# Altium PCB RelayTester.PcbDoc (part 1 of 2)
Units mm, origin at the board's own origin, x right, y up, seen from the top; angles counter-clockwise.
Board outline 86 x 93 mm, 2 copper layers (Top Layer, Bottom Layer); 234 components, 174 nets, 831 pads, 189 vias.
Unrouted connection lines stored in the file: 4.
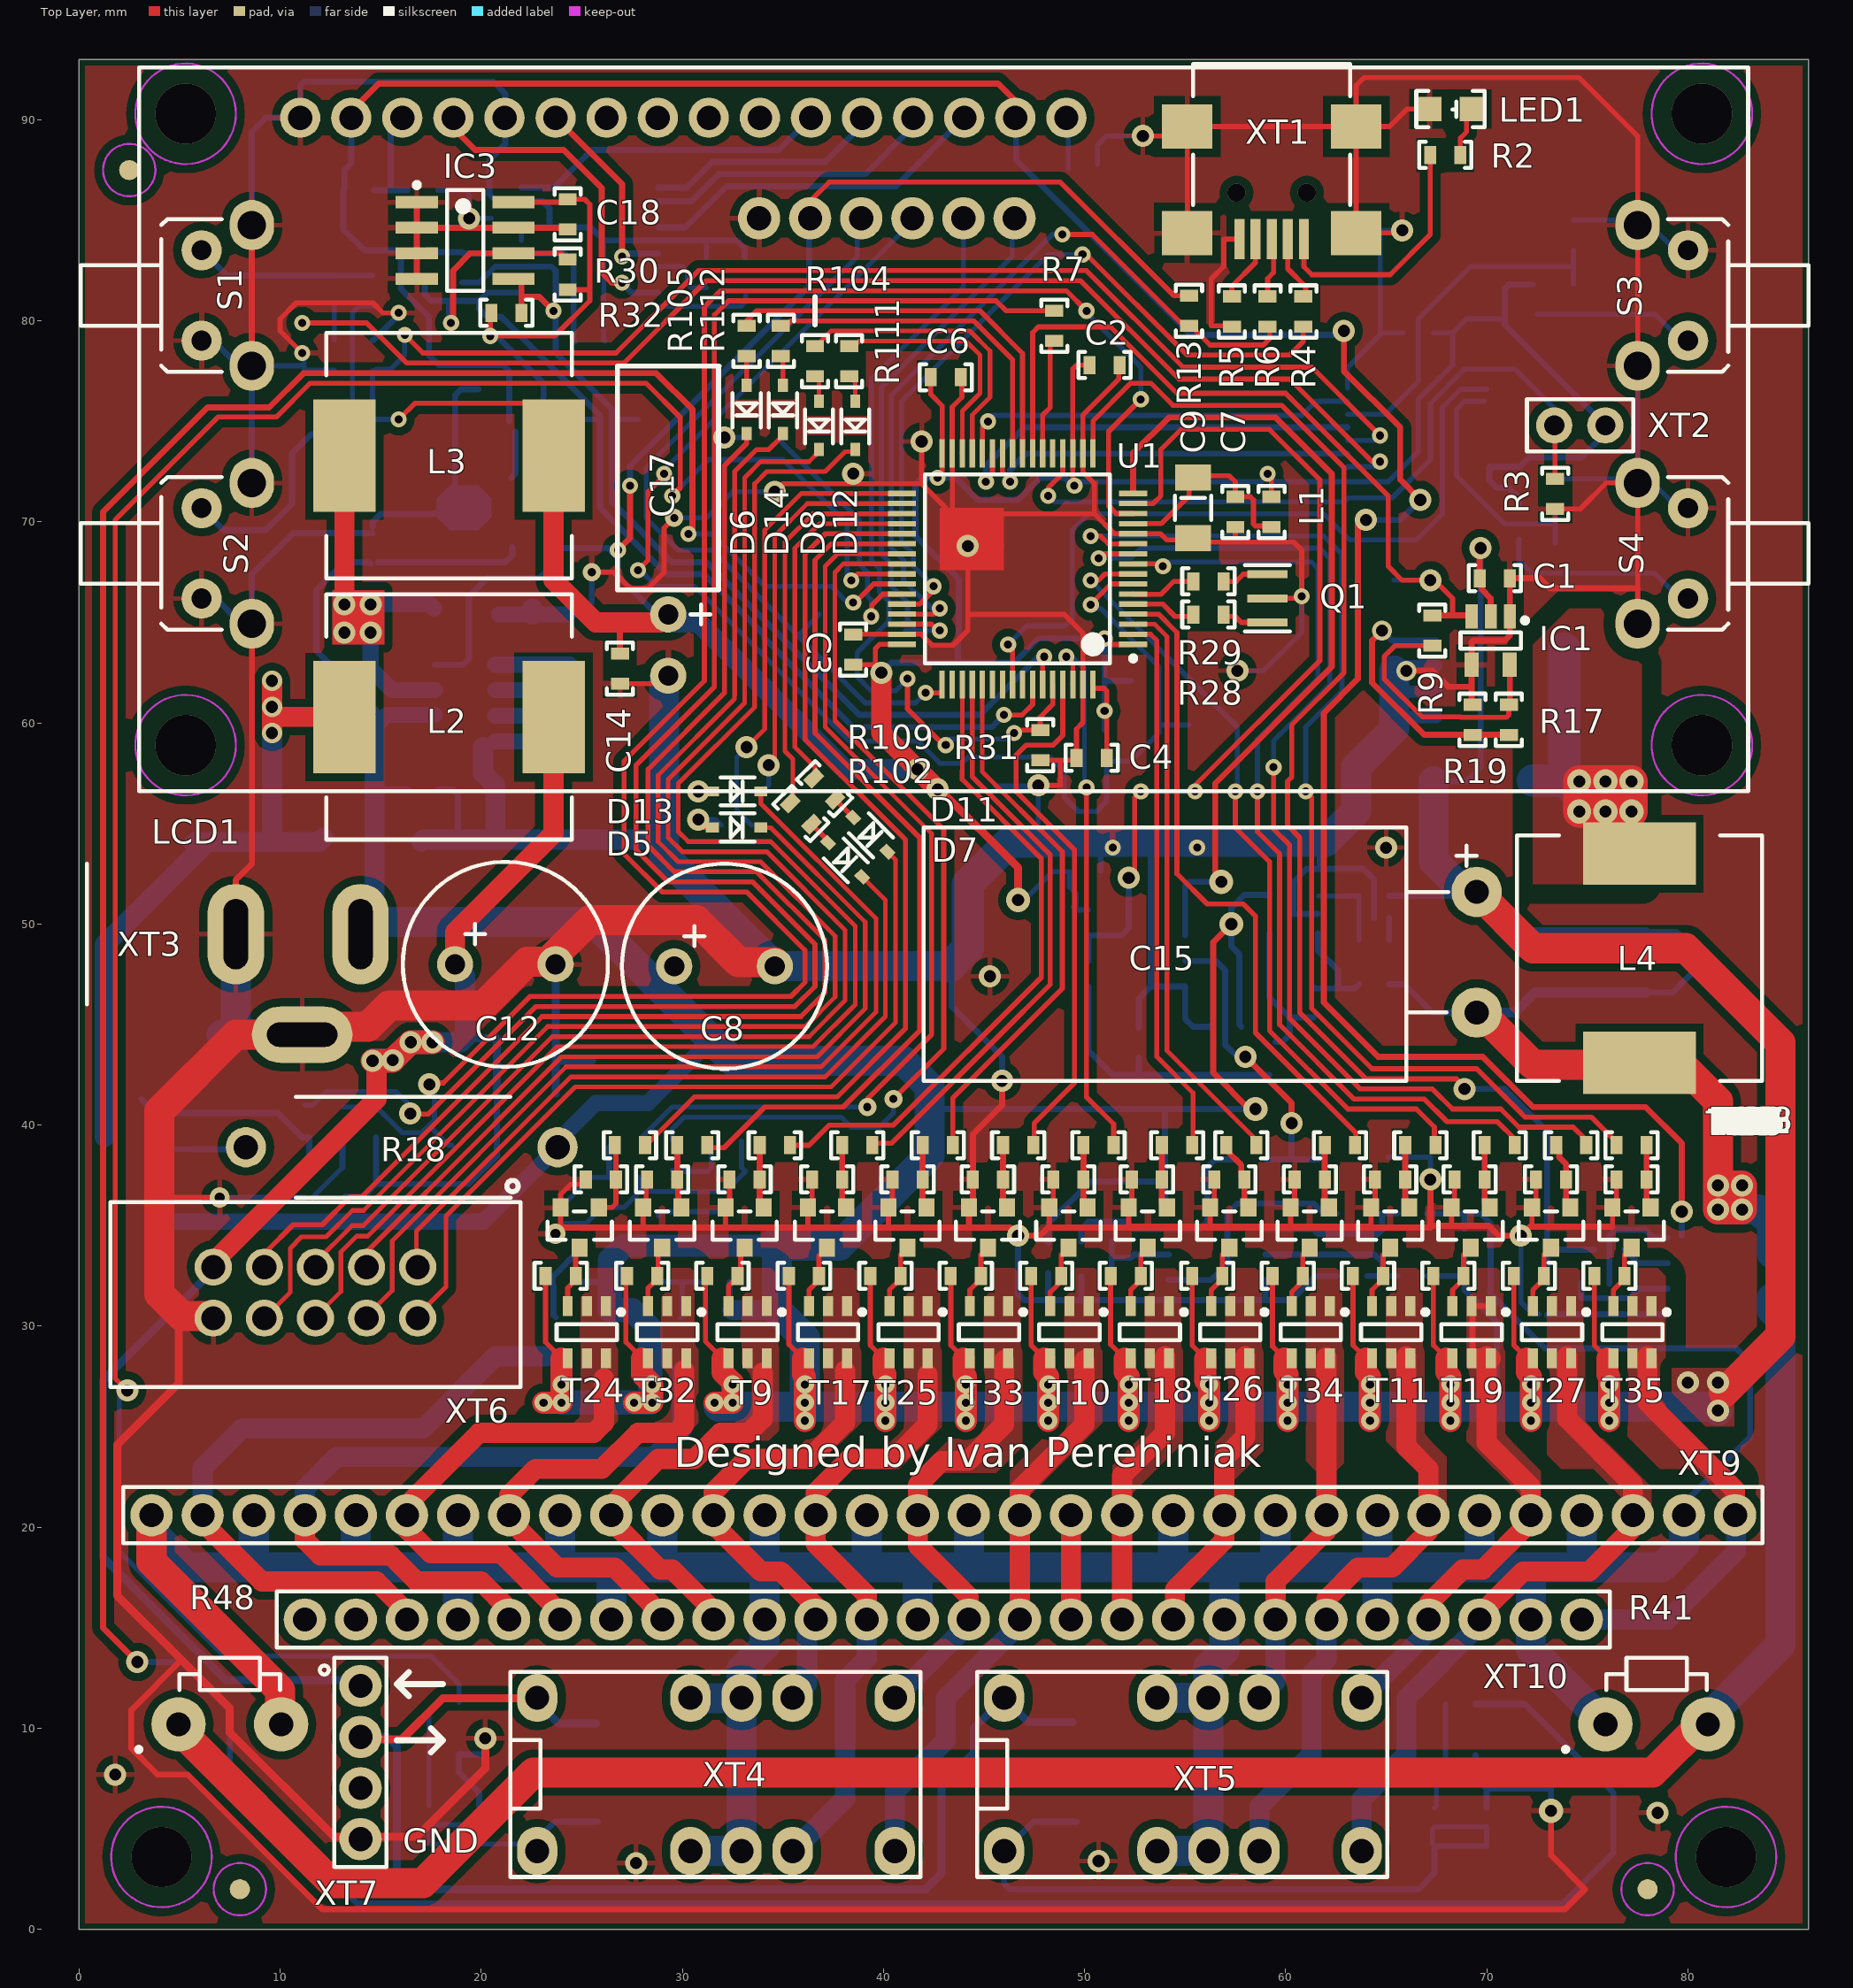
[diagram p0: Top Layer view]
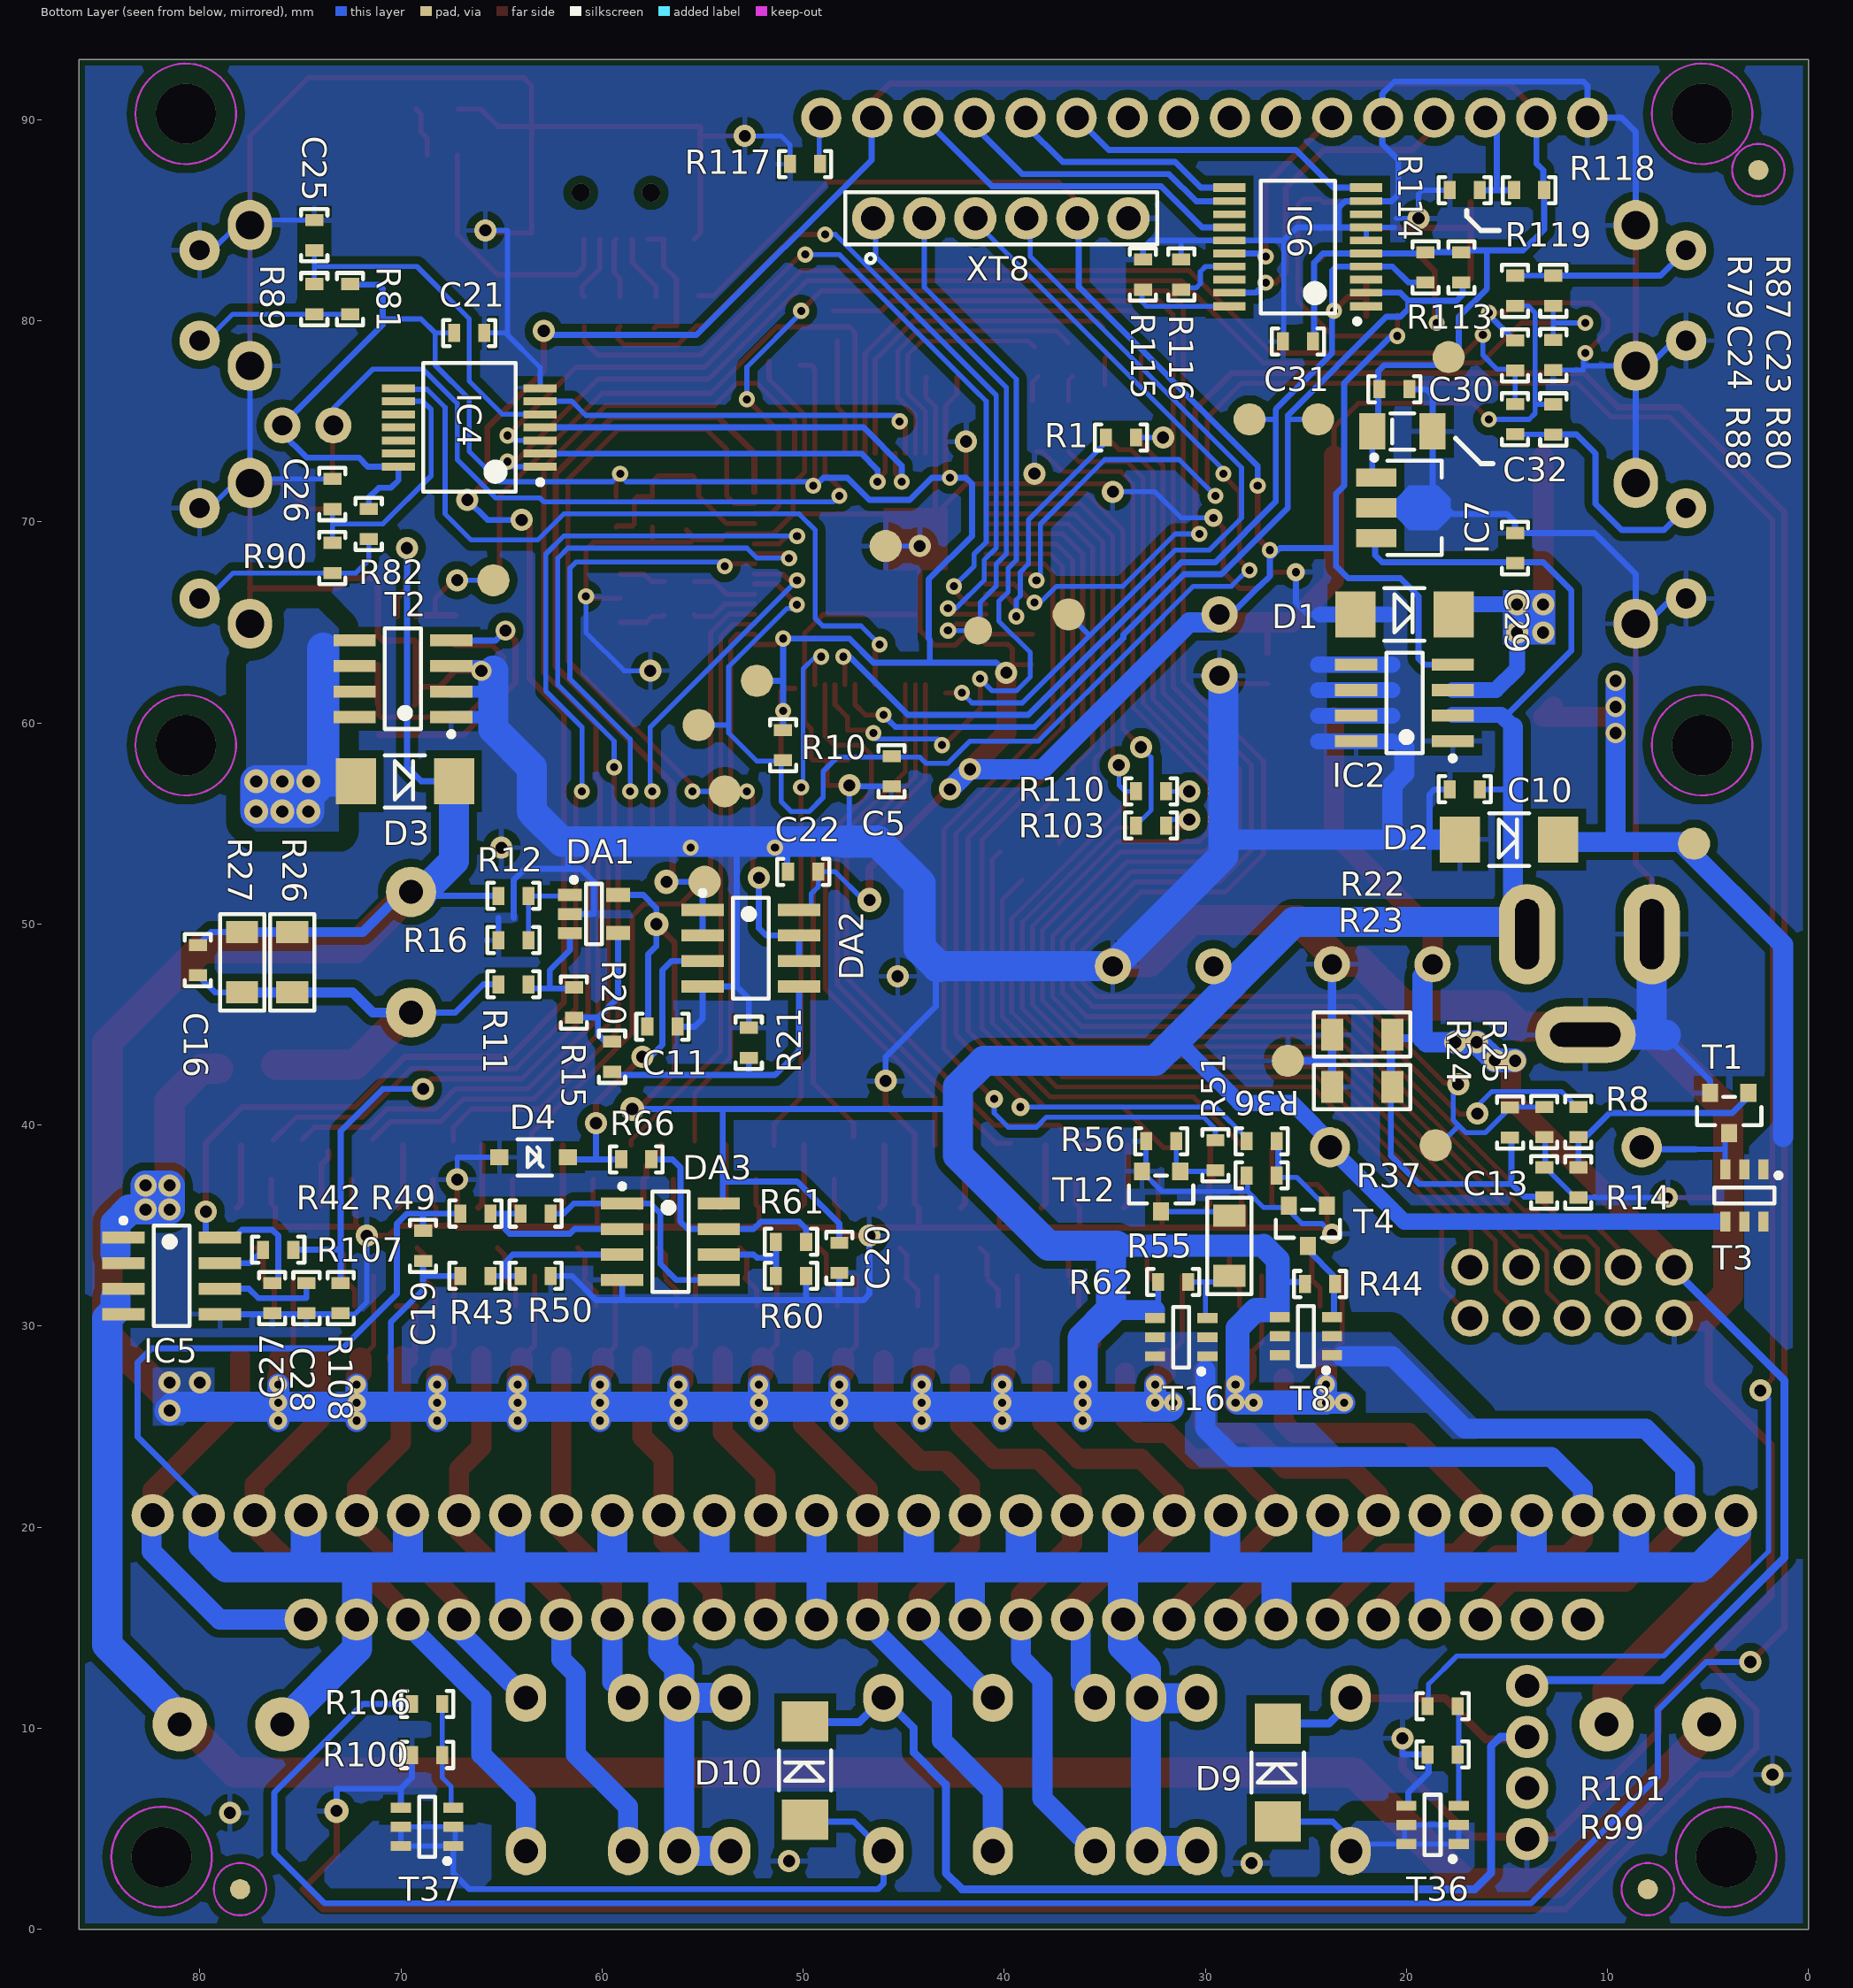
[diagram p1: Bottom Layer view, seen from below]

## Layer stack, top to bottom
Top Solder: solder mask 0.0102, Solder Resist, Dk 3.5
Top Layer: signal copper 0.0356
Dielectric 1: dielectric 0.32, FR-4, Dk 4.8
Bottom Layer: signal copper 0.0356
Bottom Solder: solder mask 0.0102, Solder Resist, Dk 3.5

## Board outline
0,0 86,0 86,93 0,93

## Design rules (kind name [scope] priority, off if disabled: settings)
Clearance Clearance_6 [(OnLayer('Top Layer') AND InPolygon) vs OnLayer('Mechanical 9')] p1: gap=0.2 ignorepadtopadclearanceinfootprint=FALSE except(0: Arc-Hole Track-Hole SMDPad-Hole THPad-Hole Via-Hole Fill-Hole Poly-Hole Region-Hole Text-Hole)
Clearance Clearance_5 [(InNamedPolygon('GND_L01_P052') OR  InNamedPolygon('GND_L02_P096')) vs InPolygon] p2: gap=1 ignorepadtopadclearanceinfootprint=FALSE
Clearance Clearance_4 [(InNamedPolygon('GND_L01_P052') OR  InNamedPolygon('GND_L02_P096'))] p3: gap=0.4 ignorepadtopadclearanceinfootprint=FALSE
Clearance Clearance_3 [InPolygon vs OnLayer('Keep-Out Layer')] p4: gap=0.2 ignorepadtopadclearanceinfootprint=FALSE
Clearance [(InNet('VDD') OR InNet('+5V') OR InNet('VSUPPLY')OR InNet('NetD2_1')OR InNet('NetD1_2')OR  InNet('NetD3_1') OR InNet('NetD4_1') OR InNet('VSUPPLY') OR InNet('REZSOURSE') OR InNet('VSupply1'))] p5: gap=0.4 ignorepadtopadclearanceinfootprint=FALSE
Clearance Clearance_2 [(InPolygon AND(InNet('MOSOUT1') OR InNet('MOSOUT2')OR  InNet('MOSOUT3')OR InNet('MOSOUT4')OR InNet('MOSOUT5')OR InNet('MOSOUT6') OR   InNet('MOSOUT7')OR InNet('MOSOUT8') OR InNet('MOSOUT9')OR InNet('MOSOUT10')OR InNet('MOSOUT11')OR InNet('MOSOUT12')OR InNet('MOSOUT13')OR InNet('MOSOUT14')OR InNet('MOSOUT15')OR InNet('MOSOUT16')))] p6: gap=0.4 ignorepadtopadclearanceinfootprint=FALSE
Clearance Clearance_1 [All] p7: gap=0.2 ignorepadtopadclearanceinfootprint=FALSE
ComponentClearance [All] p1 off: gap=0.254 collisioncheckmode=3 verticalgap=0.254 showdistances=TRUE
Height [All] p1 off: minheight=0 maxheight=25.4 prefheight=12.7
PlaneConnect [All] p1: planeconnectstyle=Relief reliefexpansion=0.508 reliefentries=4 reliefconductorwidth=0.254 reliefairgap=0.4
PolygonConnect PolygonConnect_3 [(InNamedPolygon('GND_L01_P052') OR  InNamedPolygon('GND_L02_P096')) vs (HasFootprint('1206(Tantal A)') AND InDifferentialPairClass('All Differential Pairs'))] p1: connectstyle=Direct reliefconductorwidth=0.254 reliefentries=4 polygonreliefangle="90 Angle" airgapwidth=0.254
PolygonConnect PolygonConnect_2 [(InNamedPolygon('GND_L01_P052') OR InNamedPolygon('GND_L02_P096'))] p2: connectstyle=Relief reliefconductorwidth=0.3 reliefentries=4 polygonreliefangle="90 Angle" airgapwidth=0.4
PolygonConnect [(InNet('MOSOUT1') OR InNet('MOSOUT2')OR  InNet('MOSOUT3')OR InNet('MOSOUT4')OR InNet('MOSOUT5')OR InNet('MOSOUT6') OR   InNet('MOSOUT7')OR InNet('MOSOUT8') OR InNet('MOSOUT9')OR InNet('MOSOUT10')OR InNet('MOSOUT11')OR InNet('MOSOUT12')OR InNet('MOSOUT13')OR InNet('MOSOUT14')OR InNet('MOSOUT15')OR InNet('MOSOUT16') OR InNet('VDD')OR InNet('VSUPPLY')OR InNet('NetD2_1')OR InNet('NetD1_2')OR InNet('NetD3_1')OR InNet('NetD4_1'))] p3: connectstyle=Direct reliefconductorwidth=0.254 reliefentries=4 polygonreliefangle="90 Angle" airgapwidth=0.254
PolygonConnect PolygonConnect_1 [All] p4: connectstyle=Relief reliefconductorwidth=0.254 reliefentries=4 polygonreliefangle="90 Angle" airgapwidth=0.4
RoutingVias PowerVias [(InNet('COILSUPPLY') OR InNet('MOSOUT11') OR InNet('MOSOUT2') OR InNet('MOSOUT3') OR InNet('MOSOUT4') OR InNet('MOSOUT5') OR InNet('MOSOUT6') OR InNet('MOSOUT7') OR InNet('MOSOUT8') OR InNet('MOSOUT9') OR InNet('MOSOUT10') OR InNet('MOSOUT11') OR InNet('MOSOUT12') OR InNet('MOSOUT13') OR InNet('MOSOUT14') OR InNet('MOSOUT15') OR InNet('MOSOUT16') OR InNet('REZSOURSE') OR InNet('REZSOURSE1') OR InNet('VSUPPLY') OR InNet('VSUPPLY1'))] p1: holewidth=0.5 width=0.9 viastyle="Through Hole" minholewidth=0.5 minwidth=0.9 maxholewidth=0.7 maxwidth=1.2
RoutingVias [All] p2: holewidth=0.4 width=0.8 viastyle="Through Hole" minholewidth=0.4 minwidth=0.7 maxholewidth=0.5 maxwidth=0.9
SolderMaskExpansion [All] p1: expansion=0.105
Width Width_Power [(InNet('COILSUPPLY') OR InNet('MOSOUT11') OR InNet('MOSOUT2') OR InNet('MOSOUT3') OR InNet('MOSOUT4') OR InNet('MOSOUT5') OR InNet('MOSOUT6') OR InNet('MOSOUT7') OR InNet('MOSOUT8') OR InNet('MOSOUT9') OR InNet('MOSOUT10') OR InNet('MOSOUT11') OR InNet('MOSOUT12') OR InNet('MOSOUT13') OR InNet('MOSOUT14') OR InNet('MOSOUT15') OR InNet('MOSOUT16') OR InNet('REZSOURSE') OR InNet('REZSOURSE1') OR InNet('VSUPPLY') OR InNet('VSUPPLY1'))] p1: maxlimit=2 minlimit=0.2 preferedwidth=1
Width [All] p2: maxlimit=2 minlimit=0.2 preferedwidth=0.25
27 further rules are at their usual default settings.

## Classes and differential pairs
component class MeasureBlock: C11 C19 C20 C22 C27 C28 D4 DA1 DA2 DA3 IC5 R3 R11 R12 R15 R16 R20 R21 R41 R42 R43 R48 R49 R50 R60 R61 R66 R107 R108 XT2
component class Interface: C21 C23 C24 C25 C26 C31 IC4 IC6 LCD1 LED1 R2 R4 R5 R6 R13 R79 R80 R81 R82 R87 R88 R89 R90 R113 R114 R115 R116 R117 R118 R119 S1 S2 S3 S4 XT1
component class PoweSupply: C1 C8 C10 C12 C13 C14 C15 C16 C17 C29 C30 C32 D1 D2 D3 IC1 IC2 IC7 L2 L3 L4 R1 R7 R8 R9 R14 R17 R18 R19 R22 R23 R24 R25 R26 R27 T1 T2 T3 XT3
component class SwitchBlock: D5 D6 D7 D8 D9 D10 D11 D12 D13 D14 R33 R34 R35 R36 R37 R38 R39 R40 R44 R45 R46 R47 R51 R52 R53 R54 R55 R56 R57 R58 R59 R62 R63 R64 R65 R67 R68 R69 R70 R71 R72 R73 R74 R75 R76 R77 R78 R83 R84 R85 R86 R91 R92 R93 R94 R95 R96 R97 R98 R99 R100 R101 R102 R103 R104 R105 R106 R109 R110 R111 R112 T4 T5 T6 T7 T8 T9 T10 T11 T12 T13 T14 T15 T16 T17 T18 T19 T20 T21 T22 T23 T24 T25 T26 T27 T28 T29 T30 T31 T32 T33 T34 T35 T36 T37 XT4 XT5 XT6 XT7 XT9 XT10
component class MCU: C2 C3 C4 C5 C6 C7 C9 C18 IC3 L1 Q1 R10 R28 R29 R30 R31 R32 U1 XT8

## Components (designator, comment, footprint, x,y, rotation, side; value= is the part's Value field where it differs from the comment)
C1 "0.1uF" C0603 70.4,67.2 r0 top
C2 "0.1uF" C0603 51,77.8 r180 top
C3 "0.1uF" C0603 38.5,63.65 r270 top
C4 "0.1uF" C0603 50.354,58.266 r0 top
C5 "1uF" C0603 45.6,57.6 r270 bottom
C6 "0.1uF" C0603 43.1,77.2 r180 top
C7 "0.1uF" C0603 57.5,70.5 r90 top
C8 "220uF" CAP10x12 32.1,47.9 r90 top
C9 "4,7uF" "1206(Tantal A)" 55.4,70.7 r270 top
C10 "0.1uF" C0603 17.1,56.7 r180 bottom
C11 "0.1uF" C0603 57,44.9 r0 bottom
C12 "1000uF" CAP10x12 21.2,48 r90 top
C13 "0.1uF" C0603 13.15,37.15 r270 bottom
C14 "0.1uF" C0603 26.9,62.7 r90 top
C15 "3300uF" CAP12.5X20P 69.5,48.6 r0 top
C16 "0.1uF" C0603 80.1,48.2 r270 bottom
C17 "220uF" CAP6x11_Hor 29.3,63.875 r0 top
C18 "0.1uF" C0603 24.3,85.3 r90 top
C19 "2nF" C0603 68.9,34 r90 bottom
C20 "0.1uF" C0603 48.2,33.4 r90 bottom
C21 "0.1uF" C0603 66.6,79.4 r0 bottom
C22 "0.1uF" C0603 50,52.6 r180 bottom
C23 "0.1uF" C0603 12.7,78.3 r90 bottom
C24 "0.1uF" C0603 14.6,78.283 r270 bottom
C25 "0.1uF" C0603 74.306,84.259 r270 bottom
C26 "0.1uF" C0603 73.406,71.386 r270 bottom
C27 "0.1uF" C0603 76.4,31.4 r90 bottom
C28 "2nF" C0603 74.7,31.4 r90 bottom
C29 "0.1uF" C0603 14.6,68.7 r270 bottom
C30 "0.1uF" C0603 20.6,76.6 r0 bottom
C31 "0.1uF" C0603 25.4,78.979 r180 bottom
C32 "4,7uF" "1206(Tantal A)" 20.2,74.5 r180 bottom
D1 "B260A-13-F" SMA 20.1,65.4 r180 bottom
D2 "SK54A-LTP" SMA 14.9,54.2 r180 bottom
D3 "SK54A-LTP" SMA 69.8,57.1 r180 bottom
D4 "BZT52C3V3" SOD123 63.4,38.4 r180 bottom
D5 "1N4148W" SOD323 32.7,54.8 r0 top
D6 "1N4148W" SOD323 33.2,75.6 r270 top
D7 "1N4148W" SOD323 38.1,53.2 r315 top
D8 "1N4148W" SOD323 36.8,74.8 r270 top
D9 "ES1J" SMA 26.4,7.8 r90 bottom
D10 "ES1J" SMA 49.9,7.9 r90 bottom
D11 "1N4148W" SOD323 39.351,54.449 r315 top
D12 "1N4148W" SOD323 38.6,74.8 r270 top
D13 "1N4148W" SOD323 32.7,56.6 r0 top
D14 "1N4148W" SOD323 35,75.6 r270 top
DA1 "LM321" SOT23-5 60.4,50.5 r180 bottom
DA2 "LM358" SOIC_N 52.6,48.8 r180 bottom
DA3 "LM358" SOIC_N 56.6,34.2 r180 bottom
IC1 "MCP1416" SOT23-5 70.2,64.1 r270 top
IC2 "MIC4680-3.3BM" SOIC_N 20.1,61 r0 bottom
IC3 "M24C32" SOIC_N 19.2,84 r0 top
IC4 "74HC14" SSOP14 66.6,74.7 r0 bottom
IC5 "ACS712 5A" SOIC_N 81.4,32.5 r180 bottom
IC6 "PCF8574" SSOP-20N 25.4,83.678 r0 bottom
IC7 "L78L05ACU" SOT89-3 20.15,70.7 r180 bottom
L1 "BLM18" L0603 59.3,70.5 r270 top
L2 "470uH" B82477G4 18.4,60.3 r0 top
L3 "82uH" B82477G4 18.4,73.3 r0 top
L4 "22uH" B82477G4 77.6,48.3 r270 top
LCD1 "1602" DISPLAY1602 43,74.6 r0 top
LED1 "Green LED" LED0805 68.199,90.536 r180 top
Q1 "8MHz" CSTCE_V 59.1,66.2 r270 top
R1 "22R" R0603 34.2,74.2 r0 bottom
R2 "1k" R0603 67.945,88.25 r180 top
R3 "10k" R0603 73.4,71.4 r90 top
R4 "22R" R0603 60.883,80.468 r270 top
R5 "100k" R0603 57.327,80.468 r270 top
R6 "22R" R0603 59.105,80.468 r270 top
R7 "22R" R0603 48.5,79.75 r90 top
R8 "100R" R0603 11.45,40.15 r270 bottom
R9 "100R" R0603 67.3,64.6 r270 top
R10 "10k" R0603 51,58.9 r90 bottom
R11 "100k" R0603 64.4,47 r180 bottom
R12 "100k" R0603 64.4,51.4 r180 bottom
R13 "1k5" R0603 55.2,80.5 r90 top
R14 "100k" R0603 11.45,37.15 r270 bottom
R15 "100k" R0603 61.4,46.1 r270 bottom
R16 "100k" R0603 64.4,49.2 r0 bottom
R17 "22R" R0603 71.1,60.16 r270 top
R18 "150R" RESISTOR_2W-2 16.05,38.9 r0 top
R19 "100k" R0603 69.3,60.16 r270 top
R20 "10k" R0603 59.5,43.4 r90 bottom
R21 "3k3" R0603 52.7,44.1 r270 bottom
R22 "1k" R1206 22.2,44.5 r180 bottom
R23 "1k" R1206 22.2,41.9 r180 bottom
R24 "10k" R0603 14.85,40.125 r90 bottom
R25 "3k3" R0603 13.15,40.15 r90 bottom
R26 "1k" R1206 75.4,48.1 r90 bottom
R27 "1k" R1206 77.9,48.1 r90 bottom
R28 "0R" R0603 56.161,65.393 r0 top
R29 "220R" R0603 56.161,67.044 r0 top
R30 "10k" R0603 24.3,82.3 r270 top
R31 "10k" R0603 47.8,58.9 r270 top
R32 "10k" R0603 21.25,80.4 r180 top
R33 "150R" R0603 34.6,39 r180 top
R34 "150R" R0603 50.7,39 r180 top
R35 "150R" R0603 66.7,39 r180 top
R36 "150R" R0603 27.2,39.2 r180 bottom
R37 "10k" R0603 27.2,37.5 r180 bottom
R38 "10k" R0603 33.1,37.3 r0 top
R39 "10k" R0603 49.2,37.3 r0 top
R40 "10k" R0603 65.2,37.3 r0 top
R41 "4.7R 50W" TO-220-2-HOR 78.45,10.2 r0 top
R42 "100k" R0603 66.3,35.6 r180 bottom
R43 "100k" R0603 66.3,32.5 r180 bottom
R44 "100k" R0603 24.3,32.1 r0 bottom
R45 "100k" R0603 32,32.5 r180 top
R46 "100k" R0603 48.1,32.5 r180 top
R47 "100k" R0603 64.1,32.5 r180 top
R48 "4.7R 50W" TO-220-2-HOR 7.5,10.2 r0 top
R49 "100k" R0603 63.3,35.6 r180 bottom
R50 "100k" R0603 63.3,32.5 r180 bottom
R51 "150R" R0603 29.5,38.5 r270 bottom
R52 "150R" R0603 38.7,39 r180 top
R53 "150R" R0603 54.6,39 r180 top
R54 "150R" R0603 70.65,39 r180 top
R55 "10R" R1206 28.8,34 r270 bottom
R56 "10k" R0603 32.2,39.2 r180 bottom
R57 "10k" R0603 37.2,37.3 r0 top
R58 "10k" R0603 53.1,37.3 r0 top
R59 "10k" R0603 69.15,37.3 r0 top
R60 "1k" R0603 50.6,32.5 r0 bottom
R61 "20k 0.1%" R0603 50.6,34.2 r180 bottom
R62 "100k" R0603 31.6,32.2 r0 bottom
R63 "100k" R0603 36.05,32.5 r180 top
R64 "100k" R0603 52.05,32.5 r180 top
R65 "100k" R0603 68.1,32.5 r180 top
R66 "1k" R0603 58.3,38.3 r0 bottom
R67 "150R" R0603 27.4,39 r180 top
R68 "150R" R0603 42.7,39 r180 top
R69 "150R" R0603 57.8,39 r180 top
R70 "150R" R0603 74.2,39 r180 top
R71 "10k" R0603 25.95,37.3 r0 top
R72 "10k" R0603 41.2,37.3 r0 top
R73 "10k" R0603 57.2,37.3 r0 top
R74 "10k" R0603 73.2,37.3 r0 top
R75 "100k" R0603 23.95,32.5 r180 top
R76 "100k" R0603 40.1,32.5 r180 top
R77 "100k" R0603 56.1,32.5 r180 top
R78 "100k" R0603 72.1,32.5 r180 top
R79 "10k" R0603 14.6,81.5 r270 bottom
R80 "10k" R0603 12.7,75.1 r90 bottom
R81 "10k" R0603 72.528,81.084 r90 bottom
R82 "10k" R0603 71.6,69.9 r90 bottom
R83 "150R" R0603 30.5,39 r180 top
R84 "150R" R0603 46.7,39 r180 top
R85 "150R" R0603 62.7,39 r180 top
R86 "150R" R0603 77.2,39 r0 top
R87 "100k" R0603 12.7,81.5 r270 bottom
R88 "100k" R0603 14.6,75.108 r90 bottom
R89 "100k" R0603 74.306,81.084 r90 bottom
R90 "100k" R0603 73.406,68.211 r90 bottom
R91 "10k" R0603 29,37.3 r0 top
R92 "10k" R0603 45.2,37.3 r0 top
R93 "10k" R0603 61.2,37.3 r0 top
R94 "10k" R0603 77.2,37.3 r0 top
R95 "100k" R0603 28,32.5 r180 top
R96 "100k" R0603 44.1,32.5 r180 top
R97 "100k" R0603 60.1,32.5 r180 top
R98 "100k" R0603 76.1,32.5 r180 top
R99 "100k" R0603 18.2,8.7 r0 bottom
R100 "100k" R0603 68.701,8.669 r0 bottom
R101 "150R" R0603 18.2,11.1 r180 bottom
R102 "120R" R0603 35.9,55.5 r315 top
R103 "120R" R0603 32.7,54.9 r180 bottom
R104 "120R" R0603 36.6,78 r270 top
R105 "120R" R0603 33.2,79 r270 top
R106 "150R" R0603 68.701,11.209 r180 bottom
R107 "2k" R0603 76.1,33.8 r180 bottom
R108 "10k" R0603 73,31.4 r90 bottom
R109 "120R" R0603 37.07,56.73 r135 top
R110 "120R" R0603 32.7,56.6 r0 bottom
R111 "120R" R0603 38.3,78 r90 top
R112 "120R" R0603 34.9,79 r90 top
R113 "10k" R0603 17.272,82.662 r90 bottom
R114 "10k" R0603 19.05,82.662 r90 bottom
R115 "10k" R0603 33.1,82.3 r270 bottom
R116 "10k" R0603 31.2,82.3 r270 bottom
R117 "510R" R0603 49.9,87.8 r0 bottom
R118 "10k" R0603 13.9,86.5 r180 bottom
R119 "1k" R0603 17.1,86.5 r180 bottom
S1 "1301.9503" SW_TACT_HOR 6.096,81.265 r0 top
S2 "1301.9503" SW_TACT_HOR 6.096,68.438 r0 top
S3 "1301.9503" SW_TACT_HOR 80.01,81.265 r180 top
S4 "1301.9503" SW_TACT_HOR 80.01,68.438 r180 top
T1 "IRLML2402" SOT-23 3.95,40.6 r0 bottom
T2 "STS11NF30L" SOIC_N 69.9,62.2 r0 bottom
T3 "BSL207" "SOT23-6 - MOSFET" 3.2,36.5 r270 bottom
T4 "IRLML2402" SOT-23 24.9,35 r0 bottom
T5 "IRLML2402" SOT-23 33.1,34.9 r180 top
T6 "IRLML2402" SOT-23 49.2,34.9 r180 top
T7 "IRLML2402" SOT-23 65.2,34.9 r180 top
T8 "BSL207" "SOT23-6 - MOSFET" 25,29.5 r0 bottom
T9 "BSL207" "SOT23-6 - MOSFET" 33.25,29.7 r270 top
T10 "BSL207" "SOT23-6 - MOSFET" 49.25,29.7 r270 top
T11 "BSL207" "SOT23-6 - MOSFET" 65.25,29.7 r270 top
T12 "IRLML2402" SOT-23 32.2,36.7 r0 bottom
T13 "IRLML2402" SOT-23 37.2,34.9 r180 top
T14 "IRLML2402" SOT-23 53.15,34.9 r180 top
T15 "IRLML2402" SOT-23 69.2,34.9 r180 top
T16 "BSL207" "SOT23-6 - MOSFET" 31.2,29.45 r0 bottom
T17 "BSL207" "SOT23-6 - MOSFET" 37.25,29.7 r270 top
T18 "BSL207" "SOT23-6 - MOSFET" 53.25,29.7 r270 top
T19 "BSL207" "SOT23-6 - MOSFET" 69.25,29.7 r270 top
T20 "IRLML2402" SOT-23 24.9,34.9 r180 top
T21 "IRLML2402" SOT-23 41.2,34.9 r180 top
T22 "IRLML2402" SOT-23 57.2,34.9 r180 top
T23 "IRLML2402" SOT-23 73.2,34.9 r180 top
T24 "BSL207" "SOT23-6 - MOSFET" 25.25,29.7 r270 top
T25 "BSL207" "SOT23-6 - MOSFET" 41.25,29.7 r270 top
T26 "BSL207" "SOT23-6 - MOSFET" 57.25,29.7 r270 top
T27 "BSL207" "SOT23-6 - MOSFET" 73.25,29.7 r270 top
T28 "IRLML2402" SOT-23 29,34.9 r180 top
T29 "IRLML2402" SOT-23 45.2,34.9 r180 top
T30 "IRLML2402" SOT-23 61.2,34.9 r180 top
T31 "IRLML2402" SOT-23 77.2,34.9 r180 top
T32 "BSL207" "SOT23-6 - MOSFET" 29.25,29.7 r270 top
T33 "BSL207" "SOT23-6 - MOSFET" 45.25,29.7 r270 top
T34 "BSL207" "SOT23-6 - MOSFET" 61.25,29.7 r270 top
T35 "BSL207" "SOT23-6 - MOSFET" 77.25,29.7 r270 top
T36 "IRFTS8342" "SOT23-6 - MOSFET" 18.7,5.2 r0 bottom
T37 "IRFTS8342" "SOT23-6 - mosfet" 68.7,5.1 r0 bottom
U1 "STM32F103RCT6" STM-LQFP64_V 46.671,67.664 r180 top
XT1 "UX60-MB-5ST" MiniUSB 59.309,87.869 r180 top
XT2 "PLS-2" PLS-2 75.9,74.8 r0 top
XT3 "PowerJack5,5/2,1mm" PowerJack5.5x2.1 7.8,49.5 r0 top
XT4 "RelSocket" RelaySocket16Pin 32.947,7.707 r0 top
XT5 "RelSocket" RelaySocket16Pin 56.163,7.707 r0 top
XT6 "IDC10" PLD10-2 11.76,31.67 r180 top
XT7 "PLS-4" PLS-4 14,8.3 r270 top
XT8 "PLS-6" PLS-6 38.9,85.1 r180 bottom
XT9 "PLS-32" PLS-32female 3.61,20.6 r0 top
XT10 "PLS-26" PLS-26female 11.23,15.413 r0 top

## Footprints (in the part's own frame and the unit in brackets; to place one, negate y for a bottom-side part, rotate by r counter-clockwise, add the part's x,y. Pads: shape width x height; smd on the part's side, far side on the other; paste and mask are expansions set on the pad)
"1206(Tantal A)" [mm]
  rect 1.3x1.8 smd: 1(-1.5,0) 2(1.5,0)
  silkscreen extent -0.6,-0.9 0.6,0.9, body extent -1.7,-0.9 1.7,0.9, height 1.7
B82477G4 [mm]
  rect 3.1x5.6 smd: 1(-5.2,0) 2(5.2,0)
  silkscreen extent -6.1,-6.1 6.1,6.1, body extent -6,-6 6,6, height 8
C0603 [mm]
  rect 0.6x0.9 smd: 1(-0.75,0) 2(0.75,0)
  silkscreen extent -1.3,-0.65 1.3,0.65, body extent -0.8,-0.4 0.8,0.4, height 0.8
CAP6x11_Hor [mm] "2mm Pitch"
  round 1.8 hole 1: 1(0,1.525) 2(0,-1.525)
  silkscreen extent -2.52,1.02 2.52,13.87, body extent -2.5,0.15 2.5,13.95, height 5.5
CAP10x12 [mm]
  round 1.8 hole 1: 1(0,2.5) 2(0,-2.5)
  silkscreen extent -5.1,-5.1 5.1,5.1, body extent -5,-5 5,5, height 12.6
CAP12.5X20P [mm] "5mm Pitch"
  round 2.5 hole 1.2: 1(0,3) 2(0,-3)
  silkscreen extent -27.5,-6.4 0,6.2, body extent -23.6,-6.35 0.4,6.15, height 13.25